# Altium PCB PCB1.PcbDoc (part 3 of 6)
Units mm, origin at the board's own origin, x right, y up, seen from the top; angles counter-clockwise.
Board outline 298.25 x 690.26 mm, 2 copper layers (Top Layer, Bottom Layer); 51 components, 44 nets, 196 pads, 2408 vias.
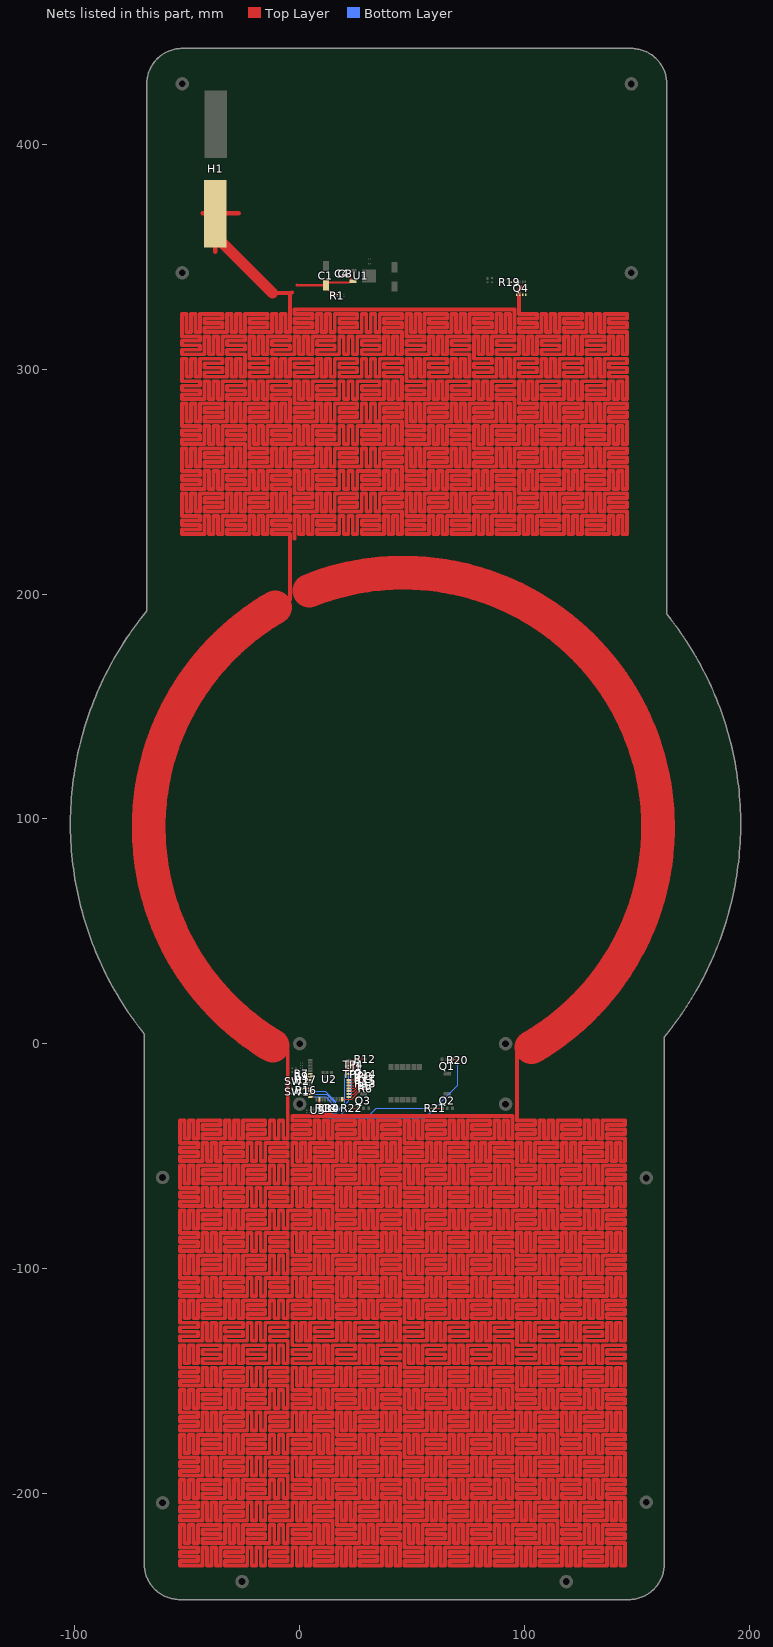
[diagram p3: the nets of this part, all layers, seen from the top]

## Via types
v1: diameter 0.6, hole 0.3, Top Layer to Bottom Layer, tented both sides, 2403 vias
v2: diameter 1.27, hole 0.711, Top Layer to Bottom Layer, tented both sides, 5 vias

## Nets (pads, with @x,y where several pads share a name; then routed paths per layer and width w, separated by ;. In a path a pad name is that pad's centre, name@x,y a point inside that pad or via, vN(x,y) a via of type N, cw(c..) or ccw(c..) an arc to the next point about the centre after c; other vN are vias at no path point) (continued)
NetJ1_1: J1.1 U2.25 | length 19.4
  Top Layer w0.25: U2.25@22.087,-23.676 v1(23.103,-23.676) ; J1.1@25.715,-7.484 25.918,-7.484 26.328,-7.894 26.664,-7.894 v1(26.731,-7.961)
  Bottom Layer w0.25: v1(23.103,-23.676) 23.103,-12.128 26.664,-8.567 26.664,-8.028 v1(26.731,-7.961)
NetJ1_2: J1.2 U2.35 | length 4.9
  Top Layer w0.25: U2.35@21.753,-10.976 23.493,-10.976 J1.2@25.715,-8.754
NetJ1_3: J1.3 U2.34 | length 4.9
  Top Layer w0.25: U2.34@21.753,-12.246 23.493,-12.246 J1.3@25.715,-10.024
NetQ1_1: Q1.1 R20.2 | length 2.4
  Top Layer w0.25: Q1.1@67.915,-6.921 67.975,-6.981 R20.2@70.314,-6.981
NetQ2_1: Q2.1 R21.2 | length 2.7
  Top Layer w0.25: R21.2@60.756,-28.688 Q2.1@63.442,-28.688
NetQ3_1: Q3.1 R22.2 | length 2.5
  Top Layer w0.25: R22.2@23.652,-28.715 26.076,-28.715 Q3.1@26.104,-28.688
NetQ4_4: Q4.4 R19.2 | length 2.6
  Top Layer w0.3: R19.2@94.063,338.932 Q4.4@96.682,338.932
NetR4_2: R4.2 TP2.1 U2.33 U3.1 | length 29.5
  Top Layer w0.25: U3.1@10.128,-30.506 10.589,-30.506 10.995,-30.913 14.26,-30.913 14.646,-30.526 ; R4.2@14.431,-29.19 14.456,-29.19 14.581,-29.315 14.581,-29.667 14.83,-29.917 v1(14.83,-30.011) ; v1(20.149,-13.516) U2.33@21.165,-13.516 ; U2.33@21.753,-13.516 21.776,-13.493 TP2.1@23.963,-13.493
  Top Layer w0.254: 14.646,-30.526 14.764,-30.409 14.764,-30.077 v1(14.83,-30.011)
  Bottom Layer w0.25: 16.374,-30.107 16.883,-29.597 16.883,-29.594 20.149,-26.329 v1(20.149,-13.516)
  Bottom Layer w0.254: v1(14.83,-30.011) 14.896,-30.077 15.192,-30.077 15.298,-30.184 16.296,-30.184 16.374,-30.107
NetR5_2: R5.2 U2.26 | length 8.5
  Top Layer w0.25: U2.26@21.753,-22.406 24.051,-22.406 27.493,-18.964 R5.2@28.83,-18.964
NetR6_2: R6.2 U2.24 | length 11.8
  Top Layer w0.25: U2.24@18.968,-24.676 23.093,-24.676 26.377,-21.392 26.377,-21.332 26.598,-21.111 26.658,-21.111 27.684,-20.084 R6.2@28.836,-20.084
NetR7_2: R7.2 U2.6 | length 3.4
  Top Layer w0.25: R7.2@1.361,-13.436 4.673,-13.436 U2.6@4.753,-13.516
NetR8_2: R8.2 U2.30 | length 8.2
  Top Layer w0.25: U2.30@21.753,-17.326 23.963,-17.326 26.731,-14.558 R8.2@28.818,-14.558
NetR9_2: R9.2 U2.7 | length 3.5
  Top Layer w0.25: R9.2@1.353,-14.575 4.542,-14.575 U2.7@4.753,-14.786
NetR10_1: R10.1 TP4.1 U2.36 U3.2 | length 35
  Top Layer w0.25: U3.2@10.128,-29.856 10.165,-29.894 10.729,-29.894 10.739,-29.904 10.802,-29.904 11.176,-30.278 12.59,-30.278 13.161,-29.708 ; R10.1@13.161,-29.19 13.161,-29.708 ; v1(13.981,-30.238) 13.886,-30.238 13.465,-29.817 13.27,-29.817 13.161,-29.708 ; v1(20.149,-9.706) U2.36@21.165,-9.706 ; U2.36@21.753,-9.706 23.441,-9.706 23.891,-9.256 TP4.1@23.963,-9.256
  Bottom Layer w0.25: 16.483,-30.707 21.753,-25.437 21.753,-11.31 v1(20.149,-9.706)
  Bottom Layer w0.254: v1(13.981,-30.238) 14.45,-30.707 16.483,-30.707
NetR11_2: R11.2 U2.29 | length 8.3
  Top Layer w0.25: U2.29@21.753,-18.596 24.474,-18.596 27.388,-15.682 R11.2@28.818,-15.682
NetR12_2: R12.2 U2.37 | length 7.8
  Top Layer w0.25: U2.37@21.753,-8.436 23.201,-8.436 25.021,-6.616 25.343,-6.616 25.352,-6.607 28.31,-6.607 28.324,-6.621 28.493,-6.621 R12.2@28.691,-6.819
NetR13_2: R13.2 U2.27 | length 8.4
  Top Layer w0.25: U2.27@21.753,-21.136 24.028,-21.136 27.296,-17.868 R13.2@28.836,-17.868
NetR14_2: R14.2 U2.31 | length 8.2
  Top Layer w0.25: U2.31@21.753,-16.056 23.866,-16.056 26.372,-13.55 28.82,-13.55 R14.2@28.876,-13.493
NetR15_2: R15.2 U2.28 | length 8.4
  Top Layer w0.25: U2.28@21.753,-19.866 24.398,-19.866 27.493,-16.77 R15.2@28.836,-16.77
NetR16_1: R16.1 SW1.2 U2.11 | length 3.7
  Top Layer w0.25: SW1.2@1.262,-20.216 1.264,-20.218 2.844,-20.218 R16.1@2.846,-20.221 2.846,-20.196 3.044,-19.998 3.069,-19.998 3.201,-19.866 U2.11@4.753,-19.866
NetR17_1: R17.1 SW2.2 U2.8 | length 4
  Top Layer w0.25: SW2.2@1.081,-15.659 1.262,-15.659 2.788,-15.659 R17.1@2.846,-15.601 2.846,-15.626 3.044,-15.824 3.327,-15.824 3.521,-16.017 4.714,-16.017 U2.8@4.753,-16.056 ; SW2.2@1.262,-15.726 SW2.2@1.32,-15.668
NetR18_1: R18.1 U2.16 U3.3 | length 7.4
  Top Layer w0.25: U2.16@8.808,-24.676 8.808,-26.111 10.651,-27.954 10.802,-27.954 11.155,-28.307 11.155,-28.806 11.094,-28.866 11.094,-29.113 11.009,-29.198 ; U3.3@10.128,-29.206 10.136,-29.198 11.009,-29.198 ; R18.1@11.891,-29.19 11.883,-29.198 11.009,-29.198
NetR20_1: R20.1 U2.14 | length 93.6
  Top Layer w0.25: U2.14@5.087,-23.676 v1(6.103,-23.676) ; v1(70.314,-8.947) R20.1@70.314,-7.931
  Bottom Layer w0.25: v1(6.103,-23.676) 11.537,-23.676 14.723,-26.862 14.723,-27.423 14.326,-27.819 12.523,-27.819 11.64,-28.702 11.64,-31.484 13.062,-32.906 55.788,-32.906 70.314,-18.38 v1(70.314,-8.947)
NetR21_1: R21.1 U2.13 | length 68.7
  Top Layer w0.25: U2.13@5.087,-22.406 v1(6.103,-22.406) ; v1(58.456,-28.688) R21.1@59.472,-28.688
  Bottom Layer w0.25: v1(6.103,-22.406) 11.979,-22.406 15.323,-25.75 15.323,-27.536 14.535,-28.323 12.726,-28.323 12.14,-28.909 12.14,-31.019 13.527,-32.406 30.376,-32.406 34.094,-28.688 v1(58.456,-28.688)
NetR22_1: R22.1 U2.12 | length 31.8
  Top Layer w0.25: U2.12@5.087,-21.136 v1(6.103,-21.136) ; v1(21.352,-28.715) R22.1@22.368,-28.715
  Bottom Layer w0.25: v1(6.103,-21.136) 11.502,-21.136 16.091,-25.725 16.091,-27.481 ; 17.841,-31.904 18.163,-31.904 v1(21.352,-28.715)
  Bottom Layer w0.254: 16.091,-27.481 14.746,-28.825 12.934,-28.825 12.642,-29.117 12.642,-30.569 13.977,-31.904 17.841,-31.904
VCC: C1.1 C3.2 C4.2 H1.2 Q4.5 Q4.6 Q4.7 Q4.8 R1.1 U1.3 | length 31039.9
  Top Layer w0.25: -1.314,337.497 -1.314,338.113 ; C1.1@11.64,337.497 11.64,336.597 14.856,333.381 R1.1@16.72,333.381 ; C4.2@19.006,342.171 20.53,342.171 21.419,342.171 23.023,340.567 U1.3@23.023,339.36
  Top Layer w0.3: H1.2@-42.296,384.269 -37.446,379.419 H1.2@-37.446,369.419 ; C1.1@11.64,337.497 C1.1@12.84,338.71 ; U1.3@23.723,339.36 U1.3@24.423,339.36
  Top Layer w0.8: C1.1@12.84,338.71 22.373,338.71 23.155,339.087 U1.3@23.723,339.36
  Top Layer w1: -1.314,337.497 C1.1@11.64,337.497